# KiCad board main - copyOK.kicad_pcb (continued)
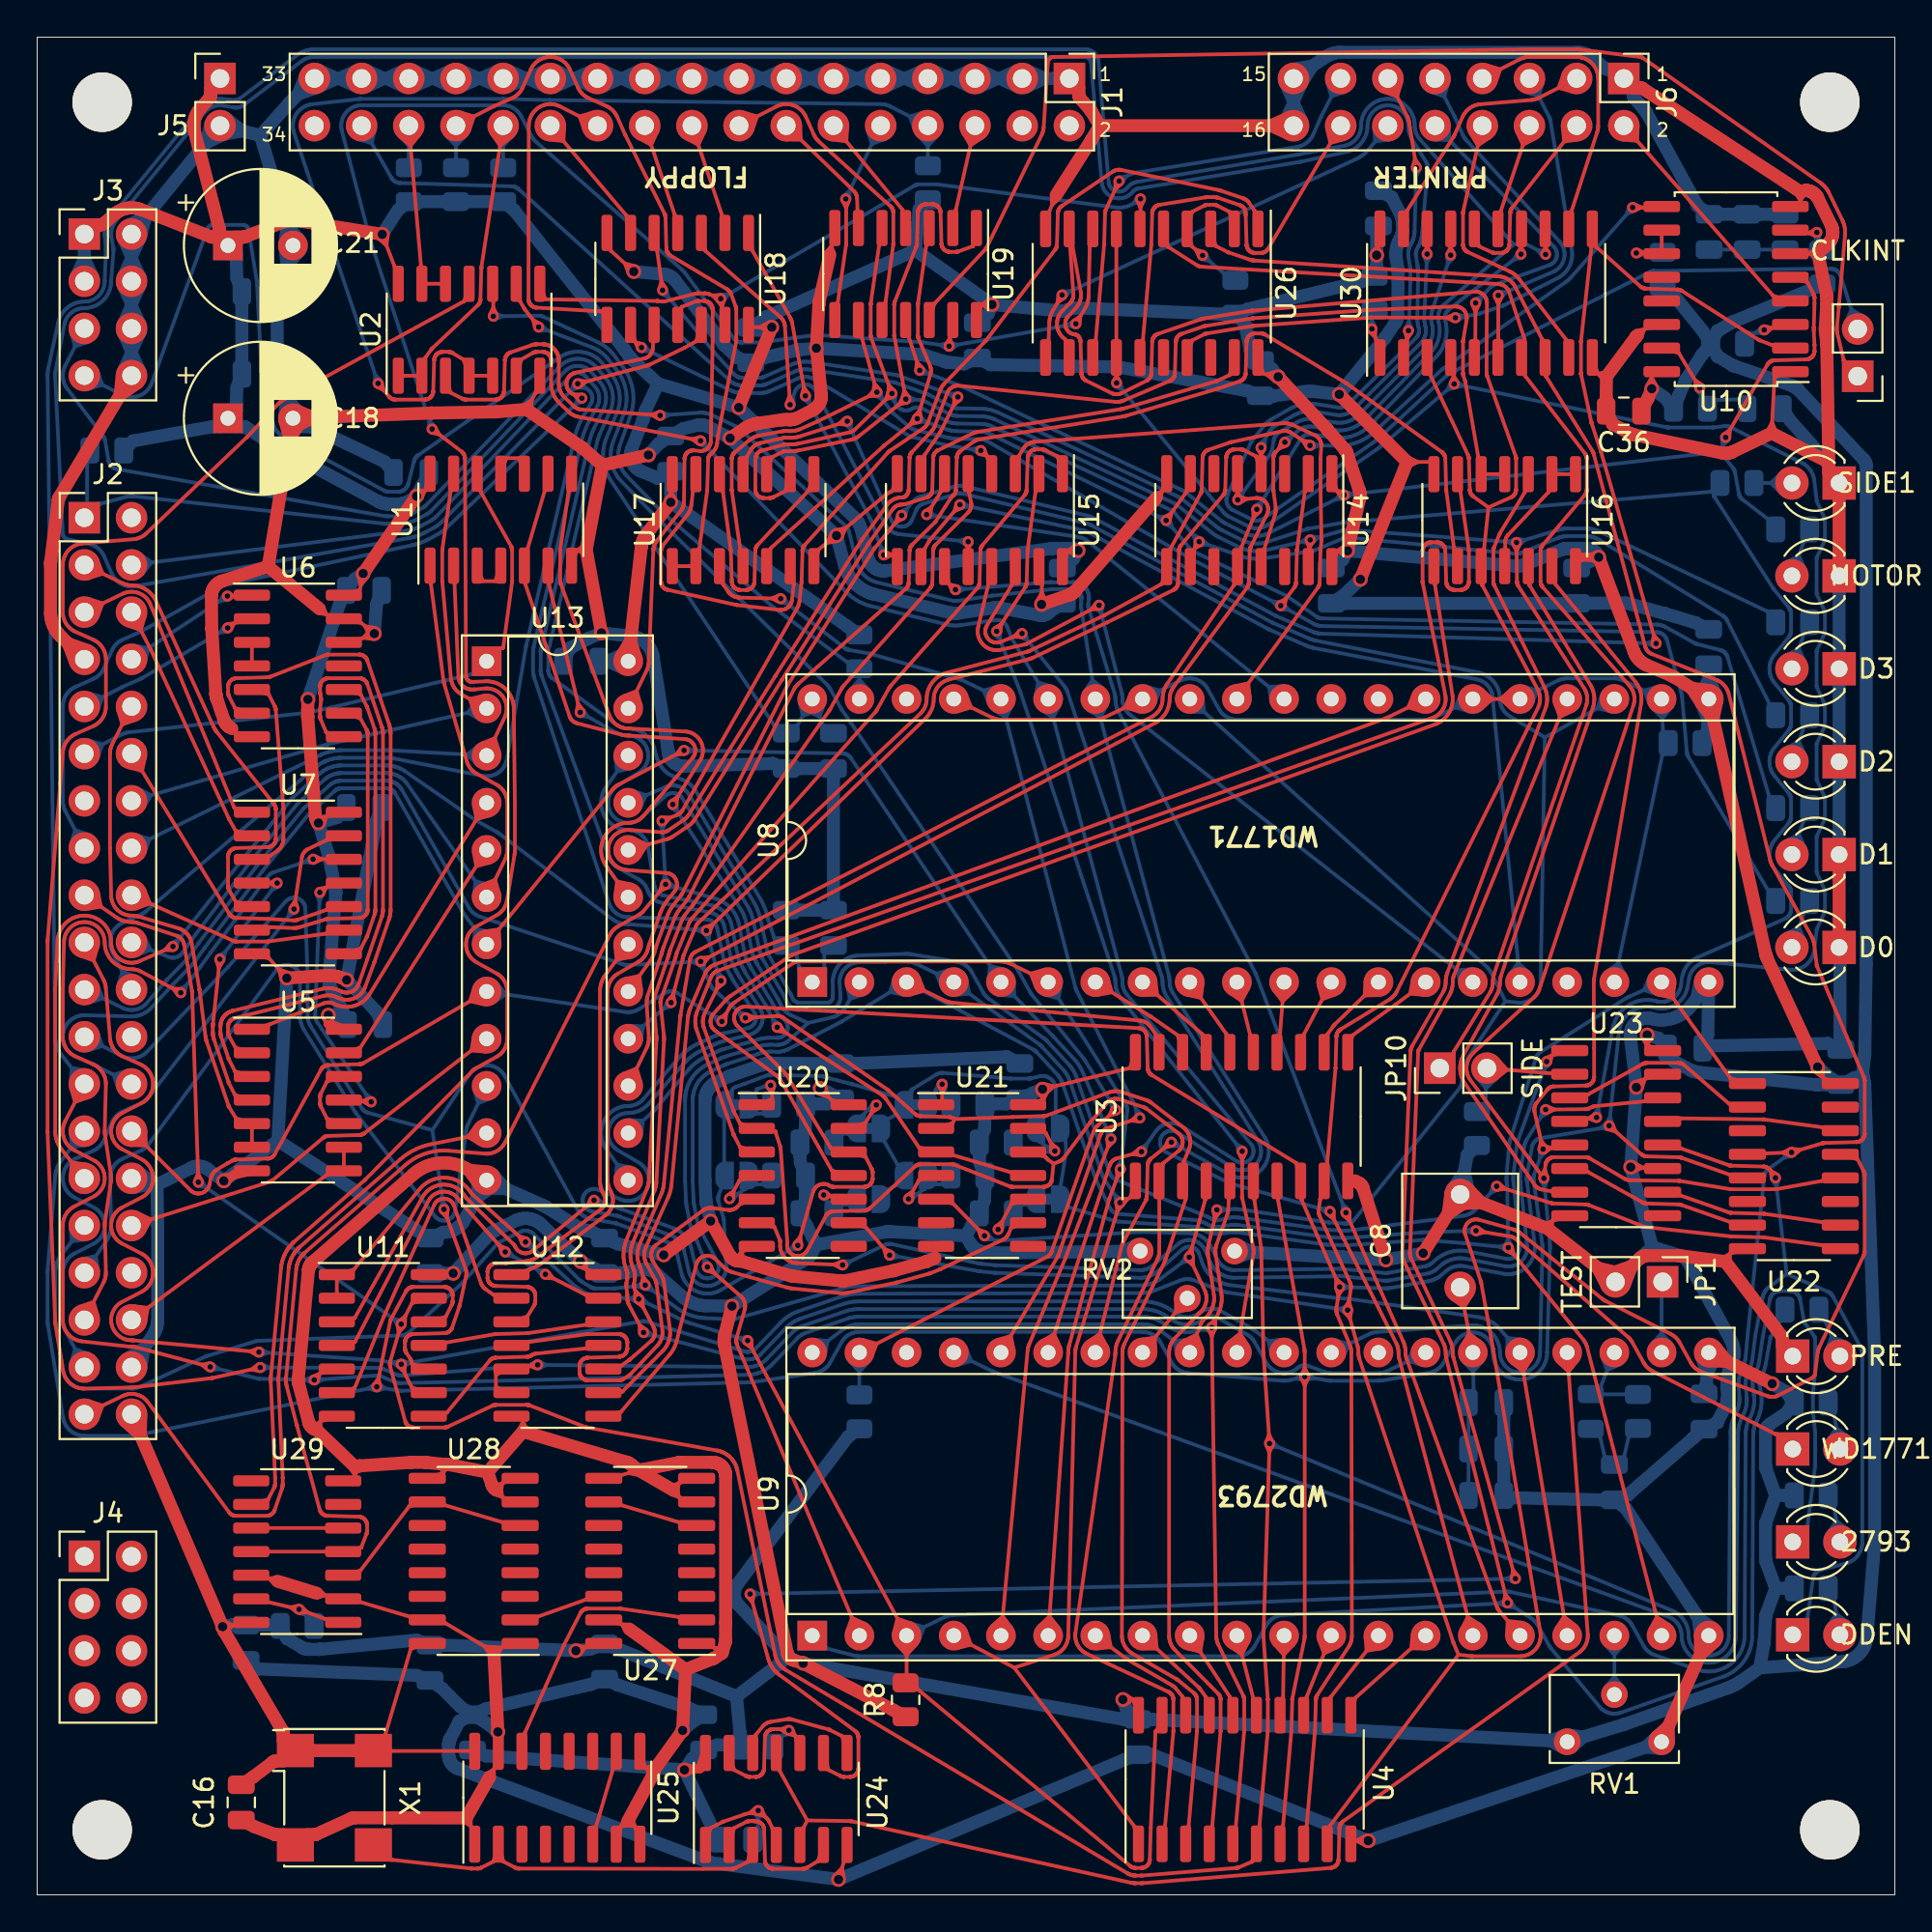
[diagram p0: board, top side]
## Routing (per net, layer and track width the routed paths; a pad name or vN(x,y) marks a point on that pad's centre or on a via; arc(x,y) is an arc through that point) (continued)
  Bottom w0.2: 81.21,40 80.9,39.69 80.87,40.12 ; v2(81.06,40.14) 80.58,38.76 80.57,38.73 80.56,38.71 80.56,38.68 80.55,38.66 80.55,38.63 80.55,38.61 80.55,38.58 80.55,38.56 80.55,38.53 80.55,38.51 80.55,38.48 80.56,38.41 81.01,35.09 81.02,35.04 81.02,34.99 81.03,34.94 81.03,34.9 81.03,34.85 81.03,34.8 80.9,29.23 80.9,29.19 80.9,29.13 80.89,29.06 80.88,29 80.87,28.93 80.85,28.87 80.83,28.8 80.8,28.74 80.77,28.68 80.74,28.63 80.7,28.57 80.66,28.52 80.62,28.47 80.57,28.42 80.52,28.37 80.47,28.33 80.42,28.29 80.36,28.26 80.3,28.23 80.24,28.2 80.18,28.18 80.12,28.16 80.05,28.14 79.99,28.13 79.92,28.12 79.86,28.12 79.79,28.12 79.72,28.12 79.66,28.13 79.59,28.14 79.53,28.16 79.46,28.18 79.4,28.2 79.34,28.23 79.28,28.26 79.23,28.29 79.17,28.33 79.12,28.37 79.07,28.42 79.02,28.47 78.98,28.52 78.94,28.57 78.9,28.63 78.87,28.68 78.84,28.74 78.81,28.8 78.79,28.87 78.77,28.93 78.76,29 78.75,29.06 78.74,29.13 78.74,29.28 78.73,29.37 78.72,29.45 78.7,29.53 78.68,29.62 78.65,29.7 78.62,29.78 78.58,29.85 78.54,29.93 78.5,30 78.45,30.07 78.4,30.14 78.34,30.2 78.28,30.26 78.21,30.32 78.15,30.37 78.08,30.42 78,30.46 77.93,30.5 77.85,30.54 77.77,30.57 77.69,30.6 77.61,30.62 77.52,30.64 77.44,30.65 77.35,30.65 77.27,30.65 77.18,30.65 72.13,30.3 72.08,30.3 72.03,30.29 71.98,30.28 71.94,30.27 71.89,30.26 71.85,30.25 71.8,30.23 71.76,30.21 71.72,30.19 U9.29 ; 70.31,28.94 70.6,29.65 69.86,29.87
M1SIDE: length 10.2
  Top w0.2: U23.2 81.6,44.22 81.5,44.22 81.49,44.23 81.21,44.25 JP10.2 ; 78.51,43.92 79.13,44.41 78.6,45
  Bottom w0.2: 77.48,44 78,43.41 78.56,43.96 ; JP10.2 77.97,42.67 R21.1
MOTOR: length 74.5
  Top w0.2: v2(90.89,78.45) 93.14,82.37 93.15,82.4 93.18,82.43 93.19,82.45 93.21,82.47 93.24,82.49 93.26,82.51 93.29,82.53 93.32,82.55 93.36,82.57 93.38,82.58 93.41,82.58 93.44,82.59 93.47,82.6 93.52,82.6 93.53,82.6 95.22,82.65 95.24,82.65 95.28,82.66 95.3,82.66 95.32,82.67 95.35,82.67 95.38,82.68 95.4,82.69 95.43,82.71 95.45,82.72 95.47,82.73 95.5,82.75 95.52,82.77 95.53,82.78 95.55,82.8 95.57,82.82 95.58,82.84 95.6,82.87 95.62,82.89 95.63,82.91 95.64,82.94 95.65,82.96 95.66,82.98 95.66,83.02 95.67,83.04 95.67,83.06 95.67,83.1 95.67,83.11 95.67,83.42 95.67,83.43 95.64,84.17 95.64,84.21 95.63,84.25 95.63,84.29 95.64,84.33 95.64,84.37 95.67,85.64 95.67,85.65 95.67,85.95 95.67,85.98 95.67,86.02 95.67,86.04 95.66,86.06 95.65,86.09 95.64,86.12 95.64,86.14 95.62,86.17 95.3,86.8 95.3,86.8 U10.5 ; 91.09,78.44 91.13,78.87 90.78,78.62 ; v2(47.51,82.06) 46.94,83.81 U19.11 ; 69.97,75.56 v2(70.35,75.35) ; 69.97,75.56 U14.1 ; 69.97,75.56 70.19,75.24 ; 69.97,75.56 70.36,75.55 ; 47.65,82.2 47.36,82.52 47.31,82.08
  Bottom w0.2: 70.2,75.47 69.92,75.13 70.36,75.15 ; 47.52,81.86 47.96,81.89 47.65,82.2 ; 91.03,78.31 90.72,78 90.69,78.44 ; 90.61,77.69 v2(90.89,78.45) ; 90.61,77.69 91.29,76.8 91.3,76.79 91.33,76.75 91.34,76.72 91.35,76.71 91.37,76.66 91.38,76.63 91.39,76.62 91.4,76.56 91.4,76.55 91.6,75.45 91.6,75.43 91.62,75.37 91.63,75.35 91.64,75.31 91.66,75.29 91.67,75.26 91.68,75.25 ; 90.61,77.69 v2(70.35,75.35) 66.3,73.31 66.23,73.27 66.16,73.24 66.08,73.22 66.01,73.2 65.93,73.18 65.86,73.17 65.78,73.16 65.7,73.15 65.62,73.15 65.54,73.16 65.47,73.16 65.39,73.18 65.31,73.19 65.24,73.21 65.16,73.24 65.09,73.27 65.02,73.3 63.99,73.81 63.95,73.83 63.92,73.85 63.88,73.87 63.84,73.9 63.8,73.92 63.77,73.95 63.73,73.97 61.92,75.42 61.87,75.46 61.82,75.5 61.77,75.53 61.72,75.56 61.67,75.59 61.61,75.62 61.56,75.65 49.82,81.18 49.79,81.2 49.78,81.2 v2(47.51,82.06) ; 70.42,75.54 70.83,75.4 70.46,75.18 ; 91.68,75.25 91.71,75.2 91.73,75.18 91.74,75.17 91.78,75.13 91.8,75.11 93.12,74.09 R31.1
OPT: length 39.5
  Top w0.2: U21.11 52.37,38.91 49.36,39.8 U21.3 47.46,40.25 47.46,40.25 45.68,42.86 45.66,42.89 45.65,42.91 45.63,42.93 45.61,42.95 45.59,42.97 45.57,42.98 45.55,43 45.53,43.02 45.51,43.03 v2(39.83,46.7) ; 40,46.81 40.24,46.44 39.81,46.5
  Bottom w0.2: U13.22 30.62,59.63 30.57,59.55 30.53,59.47 30.49,59.4 30.45,59.31 30.43,59.23 30.4,59.15 30.38,59.06 30.37,58.97 30.36,58.88 30.36,58.79 30.36,58.71 30.37,58.62 30.38,58.53 30.4,58.44 30.42,58.36 30.45,58.27 30.48,58.19 30.52,58.11 30.56,58.04 30.61,57.96 30.66,57.89 30.72,57.82 30.78,57.76 30.84,57.7 30.91,57.64 30.98,57.59 31.06,57.54 31.14,57.49 31.21,57.46 31.3,57.42 31.38,57.39 31.47,57.37 31.55,57.35 31.64,57.34 31.73,57.33 31.82,57.33 31.88,57.32 31.94,57.32 32,57.31 32.06,57.3 32.12,57.28 32.17,57.26 32.23,57.24 32.29,57.22 32.34,57.19 32.39,57.16 32.44,57.13 32.49,57.09 32.54,57.05 32.58,57.01 32.62,56.96 32.66,56.92 32.7,56.87 32.73,56.82 32.76,56.76 32.79,56.71 32.82,56.65 32.84,56.6 32.86,56.54 32.87,56.48 32.88,56.42 33.23,54.3 33.24,54.27 33.24,54.23 33.25,54.2 33.27,54.17 33.28,54.14 33.29,54.11 33.31,54.08 33.33,54.05 33.35,54.02 33.37,54 33.39,53.97 33.42,53.95 33.44,53.93 33.47,53.91 33.49,53.89 33.52,53.87 33.55,53.85 33.58,53.84 33.61,53.83 33.64,53.82 33.68,53.81 33.71,53.8 36.31,53.27 36.38,53.25 36.45,53.23 36.53,53.2 36.6,53.17 36.67,53.14 36.74,53.1 36.8,53.06 36.86,53.01 36.92,52.96 36.98,52.91 37.04,52.86 37.09,52.8 37.14,52.74 37.18,52.68 37.22,52.61 37.26,52.54 37.29,52.47 37.32,52.4 37.35,52.33 37.37,52.25 37.39,52.18 37.71,50.57 37.73,50.5 37.75,50.43 37.77,50.35 37.79,50.28 37.82,50.21 37.85,50.14 37.89,50.07 37.92,50.01 37.96,49.94 37.99,49.9 38,49.87 38.01,49.85 38.03,49.83 38.05,49.78 38.07,49.74 38.09,49.71 38.11,49.67 38.13,49.64 38.15,49.6 39.22,47.89 39.24,47.86 39.26,47.83 39.28,47.8 39.29,47.76 39.31,47.73 39.34,47.65 39.35,47.62 39.37,47.59 39.38,47.56 39.4,47.53 v2(39.83,46.7) ; 31.97,60.64 31.22,60.48 31.12,61.24 ; 39.96,46.86 39.61,47.13 39.63,46.69
~{37E0}: length 138.3
  Top w0.2: 15.38,20.5 15.4,20.48 15.43,20.46 15.44,20.45 15.48,20.44 15.5,20.43 15.52,20.42 15.55,20.42 15.58,20.41 15.6,20.41 15.64,20.41 17.31,20.36 17.35,20.35 17.38,20.35 17.41,20.34 17.44,20.33 17.47,20.33 17.51,20.31 ; v2(33.83,54.4) 32.67,53 32.64,52.96 32.61,52.93 32.58,52.9 32.54,52.87 32.51,52.84 32.47,52.81 32.43,52.78 32.39,52.76 32.36,52.74 31.28,52.14 31.23,52.11 31.18,52.08 31.14,52.05 31.1,52.01 31.05,51.97 31.02,51.94 30.98,51.89 30.94,51.85 30.91,51.81 30.88,51.76 30.85,51.72 30.83,51.67 25.19,40.51 25.16,40.45 25.12,40.4 25.09,40.35 25.05,40.3 25.01,40.25 24.97,40.21 24.92,40.16 24.87,40.12 24.82,40.09 24.77,40.05 24.71,40.02 24.66,40 24.6,39.97 24.54,39.95 24.48,39.93 24.42,39.92 24.36,39.91 24.3,39.9 24.23,39.9 24.17,39.9 24.11,39.9 22.15,40.05 21.98,40.06 21.81,40.06 21.65,40.05 21.48,40.04 21.31,40.01 21.15,39.97 20.99,39.93 20.83,39.88 20.67,39.82 20.52,39.75 20.37,39.67 20.23,39.59 20.09,39.49 19.95,39.39 19.82,39.29 14.41,34.57 14.38,34.55 14.33,34.5 14.3,34.47 14.28,34.44 14.26,34.42 14.24,34.39 14.22,34.37 14.18,34.32 14.16,34.28 14.14,34.25 14.12,34.22 14.1,34.19 14.09,34.16 14.06,34.11 14.04,34.07 14.03,34.04 14.02,34 14.01,33.97 14,33.94 13.99,33.9 13.98,33.88 13.97,33.84 13.97,33.81 13.96,33.78 13.95,33.74 13.95,33.71 13.94,33.68 13.4,27.86 13.4,27.8 13.39,27.74 13.39,27.68 13.4,27.62 13.4,27.56 13.41,27.5 13.42,27.45 13.43,27.39 13.44,27.33 13.98,25.28 13.98,25.27 15.21,20.73 15.22,20.71 15.23,20.68 15.24,20.65 15.26,20.63 15.28,20.59 15.3,20.57 15.32,20.55 15.34,20.53 15.36,20.51 15.37,20.5 ; 33.78,57.67 34.08,57.99 33.65,58.01 ; 17.51,20.31 17.53,20.29 17.55,20.28 17.58,20.26 17.6,20.24 17.62,20.23 17.64,20.21 17.66,20.19 17.67,20.17 17.69,20.14 17.7,20.12 17.71,20.1 17.73,20.07 17.74,20.05 17.74,20.03 17.75,19.99 17.76,19.97 17.76,19.95 17.76,19.91 17.76,19.9 17.76,19.6 17.76,19.57 17.76,19.53 17.75,19.51 17.75,19.49 17.74,19.45 17.73,19.43 17.45,18.7 17.44,18.69 17.44,18.69 U29.4 U29.11 ; 33.64,54.45 33.52,54.03 33.92,54.22 ; v2(33.64,57.81) 34.44,58.13 34.47,58.14 34.5,58.15 34.52,58.17 34.55,58.18 34.57,58.2 34.59,58.22 34.62,58.24 34.64,58.26 34.66,58.28 34.68,58.3 34.7,58.32 34.72,58.35 34.73,58.37 34.75,58.4 40.91,69.27 40.93,69.31 40.95,69.35 40.97,69.38 40.98,69.42 41,69.46 41.01,69.5 41.02,69.54 41.03,69.58 41.03,69.62 41.04,69.66 41.15,70.64 41.15,70.69 41.2,72.36 41.2,72.4 41.21,72.43 41.21,72.46 41.22,72.49 41.23,72.52 41.25,72.56 41.26,72.58 41.27,72.6 41.3,72.64 41.31,72.65 45.81,77.65 45.84,77.69 45.86,77.7 45.88,77.72 45.91,77.74 47.72,78.95 47.74,78.97 47.76,78.99 47.79,79.01 47.81,79.03 47.83,79.05 47.85,79.07 47.86,79.09 47.88,79.12 47.9,79.14 47.91,79.17 47.92,79.19 47.94,79.22 47.95,79.25 48.61,80.99 48.62,81.03 48.64,81.07 48.66,81.1 48.68,81.14 48.7,81.18 48.72,81.21 48.75,81.24 48.77,81.28 48.8,81.31 48.83,81.34 51.05,83.64 51.07,83.66 51.07,83.67 54.8,88.56 54.82,88.6 54.84,88.62 54.85,88.64 54.86,88.67 54.87,88.69 54.88,88.71 54.89,88.75 54.89,88.77 54.89,88.79 54.9,88.83 54.94,90.53 54.95,90.57 54.95,90.6 54.96,90.62 54.97,90.66 54.98,90.68 54.99,90.73 55.01,90.75 55.02,90.77 55.04,90.8 55.06,90.82 55.08,90.84 55.1,90.87 55.12,90.88 55.16,90.91 57.9,92.76 57.92,92.78 57.95,92.79 57.98,92.81 58.01,92.82 58.04,92.83 58.07,92.84 58.1,92.85 58.14,92.86 58.17,92.86 58.2,92.86 58.23,92.86 58.27,92.86 58.3,92.86 58.33,92.86 58.36,92.85 63.58,91.77 63.61,91.77 63.66,91.75 63.69,91.74 63.73,91.73 64.88,91.34 64.91,91.33 64.93,91.32 64.96,91.31 64.99,91.29 65.02,91.28 65.04,91.26 65.07,91.24 65.1,91.22 65.12,91.2 65.15,91.18 65.17,91.16 65.19,91.14 65.21,91.11 65.23,91.09 65.25,91.06 65.52,90.67 65.53,90.66 U26.1
  Bottom w0.2: 31.84,41.71 32.61,41.68 32.51,40.92 ; 33.65,54.47 33.8,54.88 34.01,54.49 ; 33.86,54.2 34.29,54.26 33.96,54.55 ; 33.46,57.72 33.66,57.33 33.82,57.74 ; v2(33.64,57.81) v2(33.83,54.4) 36.52,53.62 36.61,53.59 36.71,53.56 36.79,53.52 36.88,53.47 36.97,53.42 37.05,53.37 37.13,53.31 37.2,53.25 37.27,53.18 37.34,53.11 37.41,53.04 37.47,52.96 37.52,52.88 37.57,52.8 37.62,52.71 37.66,52.62 37.7,52.53 37.73,52.44 37.76,52.34 37.78,52.25 38.09,50.66 38.1,50.6 38.12,50.54 38.14,50.48 38.16,50.42 38.18,50.36 38.2,50.31 38.23,50.25 38.26,50.2 38.29,50.15 38.32,50.1 38.34,50.07 38.36,50.04 38.37,50 38.41,49.93 38.42,49.9 38.44,49.88 38.45,49.85 38.47,49.83 39.54,48.07 39.56,48.03 39.59,47.99 39.61,47.95 39.63,47.91 39.64,47.87 39.67,47.8 39.69,47.76 39.71,47.72 39.73,47.68 39.76,47.63 39.79,47.58 39.82,47.52 39.86,47.47 39.9,47.42 39.94,47.38 39.98,47.33 40.02,47.29 40.07,47.25 40.12,47.21 40.16,47.17 40.17,47.16 40.2,47.14 40.23,47.12 40.25,47.09 40.28,47.07 40.3,47.04 40.32,47.01 40.34,46.98 40.35,46.95 40.37,46.91 40.38,46.88 40.39,46.85 40.4,46.81 40.4,46.78 40.41,46.74 40.41,46.71 40.41,46.67 40.4,46.64 40.4,46.6 40.39,46.57 40.38,46.53 40.37,46.5 40.36,46.47 40.34,46.44 40.32,46.41 40.3,46.38 40.28,46.35 40.26,46.32 40.24,46.29 40.21,46.27 40.18,46.25 40.15,46.23 40.12,46.21 40.09,46.19 40.06,46.18 40.03,46.16 40,46.15 39.96,46.14 39.93,46.14 39.89,46.13 39.86,46.13 39.82,46.13 39.54,46.14 39.44,46.14 39.33,46.13 39.22,46.12 39.12,46.11 39.01,46.09 38.9,46.07 38.8,46.04 38.7,46.01 38.6,45.98 38.56,45.96 38.54,45.96 38.51,45.95 38.49,45.94 38.47,45.94 37.03,45.55 36.98,45.54 36.93,45.52 36.88,45.5 36.82,45.49 36.77,45.47 36.72,45.44 36.62,45.4 36.6,45.39 35.91,45.07 35.87,45.05 35.82,45.03 35.77,45 35.73,44.97 35.68,44.95 35.64,44.92 35.55,44.86 35.5,44.82 35.45,44.78 35.4,44.74 35.35,44.7 35.3,44.66 35.25,44.61 35.18,44.54 35.15,44.51 35.13,44.49 35.1,44.46 35.08,44.43 35.06,44.41 33.3,42.31 33.26,42.27 33.22,42.23 33.19,42.19 33.15,42.15 33.11,42.11 33.07,42.08 U13.14
~{1771}: length 134
  Top w0.2: v2(29.98,37.39) 26.68,34.67 26.65,34.65 26.62,34.63 26.59,34.61 26.56,34.59 26.52,34.58 26.49,34.57 26.45,34.56 26.42,34.55 26.38,34.54 26.34,34.54 26.31,34.53 26.27,34.53 26.24,34.54 26.2,34.54 26.16,34.55 26.13,34.56 26.09,34.57 26.06,34.58 26.02,34.59 25.99,34.61 25.96,34.63 25.93,34.65 25.9,34.67 25.87,34.7 25.85,34.72 25.82,34.75 25.8,34.78 25.78,34.81 25.76,34.84 25.73,34.9 25.72,34.92 25.71,34.94 25.69,34.96 25.68,34.97 25.67,34.99 25.65,35.01 25.64,35.03 25.62,35.04 23.18,37.43 23.15,37.46 23.12,37.5 23.09,37.53 23.06,37.57 23.03,37.6 23,37.64 22.99,37.66 22.94,37.72 22.89,37.78 22.84,37.84 22.78,37.89 22.72,37.95 22.66,37.99 22.59,38.04 22.52,38.07 22.45,38.11 22.38,38.14 22.3,38.17 22.23,38.19 22.15,38.21 22.07,38.22 21.99,38.23 21.92,38.23 21.84,38.23 21.76,38.22 21.68,38.21 21.6,38.2 21.53,38.18 21.45,38.15 21.38,38.12 21.3,38.09 21.24,38.05 21.17,38.01 21.1,37.97 21.04,37.92 20.98,37.86 20.93,37.81 20.87,37.75 20.83,37.69 20.78,37.62 20.74,37.55 17.1,31.07 17.09,31.06 U11.3 ; U8.3 48.86,48.14 48.9,48.12 48.94,48.1 48.98,48.08 49.02,48.07 49.06,48.06 49.11,48.05 49.15,48.04 49.19,48.03 49.24,48.03 59.37,47.06 59.39,47.06 59.41,47.06 59.42,47.05 59.44,47.05 59.46,47.04 59.51,47.03 59.54,47.02 59.58,47.01 59.61,47 59.64,46.98 59.67,46.97 59.7,46.95 59.73,46.93 59.76,46.91 59.79,46.88 59.82,46.86 59.84,46.84 59.87,46.81 59.89,46.78 59.91,46.75 60.2,46.34 60.2,46.34 60.39,45.36 ; v2(77.45,35.75) 79.29,35.44 79.32,35.44 79.34,35.43 79.37,35.42 79.4,35.42 79.42,35.4 79.45,35.39 79.47,35.38 79.5,35.37 79.52,35.35 79.55,35.34 79.57,35.32 79.59,35.3 85.63,30.03 85.66,30 85.69,29.97 85.72,29.94 85.75,29.91 85.78,29.88 85.8,29.84 85.83,29.81 85.85,29.77 85.87,29.73 86.47,28.66 86.5,28.61 86.53,28.56 86.56,28.52 86.6,28.48 86.63,28.44 86.67,28.4 86.71,28.36 86.75,28.33 86.8,28.29 86.84,28.26 86.89,28.23 86.94,28.21 93.55,24.81 93.57,24.8 93.6,24.8 93.7,24.8 D3.1 ; 29.8,37.48 29.61,37.09 30.03,37.2 ; 77.56,35.92 77.93,35.67 77.5,35.56 ; 47.45,49.39 47.74,48.68 47,48.46
  Bottom w0.2: v2(77.45,35.75) 74.57,35.66 74.53,35.66 70.55,35.36 70.52,35.36 70.48,35.36 70.45,35.36 70.41,35.36 70.38,35.36 70.3,35.37 70.27,35.37 70.24,35.37 70.2,35.37 69.55,35.39 69.52,35.39 69.49,35.4 69.46,35.4 69.43,35.4 69.4,35.4 64.65,36.06 64.59,36.07 64.54,36.07 64.49,36.07 64.43,36.07 64.38,36.07 64.33,36.07 64.27,36.06 64.22,36.05 63.66,35.96 63.61,35.95 63.57,35.95 63.52,35.95 63.48,35.95 63.43,35.95 63.39,35.95 63.34,35.96 63.3,35.97 63.25,35.98 63.21,35.99 63.17,36.01 63.12,36.03 63.08,36.05 63.04,36.07 63.02,36.08 62.94,36.12 62.86,36.16 62.78,36.2 62.7,36.23 62.61,36.26 62.53,36.28 62.44,36.3 62.35,36.32 62.27,36.33 62.18,36.34 58.24,36.65 58.21,36.65 58.17,36.66 58.14,36.67 58.11,36.68 58.08,36.69 58.05,36.7 58.02,36.71 57.99,36.73 57.96,36.75 57.93,36.76 57.9,36.78 57.88,36.81 57.85,36.83 57.83,36.85 57.81,36.88 57.79,36.9 57.77,36.93 57.75,36.96 57.74,36.99 57.03,38.43 57.01,38.47 57,38.5 56.98,38.53 56.97,38.56 56.96,38.6 55.18,43.74 55.16,43.78 55.14,43.82 55.12,43.86 55.1,43.9 55.08,43.94 55.05,43.98 55.03,44.02 55,44.06 54.97,44.09 54.94,44.13 53.79,45.37 53.78,45.38 53.75,45.42 53.73,45.44 53.71,45.45 53.67,45.48 53.64,45.49 ; 30,37.19 30.43,37.24 30.11,37.54 ; 53.64,45.49 U8.3 43.32,47.02 43.29,47 43.25,46.97 43.23,46.96 40.44,45.53 40.38,45.5 40.33,45.48 40.27,45.45 40.21,45.43 40.15,45.42 40.08,45.4 40.02,45.39 39.96,45.39 39.9,45.38 39.83,45.38 39.77,45.38 39.57,45.39 39.5,45.39 39.43,45.39 39.35,45.39 39.28,45.38 39.21,45.37 39.14,45.36 39.06,45.34 38.99,45.33 38.92,45.3 38.85,45.28 38.82,45.27 38.78,45.25 38.75,45.25 37.18,44.74 37.16,44.73 37.13,44.72 37.1,44.71 37.08,44.7 37.05,44.69 36.95,44.65 36.26,44.33 36.23,44.31 36.2,44.3 36.18,44.29 36.15,44.27 36.12,44.25 36.1,44.24 36.01,44.18 35.98,44.16 35.95,44.13 35.92,44.11 35.89,44.08 35.86,44.06 35.83,44.03 35.79,43.99 35.76,43.96 35.73,43.93 35.7,43.9 35.68,43.87 35.65,43.84 35.63,43.81 35.61,43.78 35.55,43.69 35.53,43.66 35.51,43.63 35.49,43.59 35.47,43.56 35.46,43.52 35.44,43.48 35.4,43.39 35.39,43.35 35.37,43.32 35.36,43.28 35.35,43.24 35.34,43.2 35.33,43.16 35.31,43.07 35.31,43.04 35.3,43.01 35.3,42.98 35.3,42.95 35.29,42.92 35.29,42.89 35.29,42.82 35.29,42.78 35.29,38.47 35.29,38.43 35.29,38.41 35.34,37.38 35.34,37.34 35.34,37.29 35.35,37.24 35.36,37.2 35.36,37.15 35.37,37.1 35.56,36.13 35.57,36.11 35.57,36.08 35.58,36.06 35.59,36.03 35.6,36.01 35.61,35.98 35.62,35.96 35.63,35.93 36.62,34.08 36.63,34.05 36.65,34.01 36.66,33.98 36.67,33.94 36.68,33.91 36.68,33.87 36.69,33.83 36.69,33.79 36.69,33.75 36.68,33.72 36.68,33.68 36.67,33.64 36.66,33.61 36.64,33.57 36.63,33.54 36.61,33.5 36.59,33.47 36.57,33.44 36.55,33.41 36.52,33.38 36.5,33.35 36.47,33.33 36.44,33.31 36.41,33.28 36.38,33.26 36.34,33.25 36.31,33.23 36.27,33.22 36.24,33.21 36.2,33.2 36.16,33.19 36.13,33.19 36.09,33.19 36.05,33.19 36.01,33.19 35.98,33.19 35.94,33.2 35.9,33.21 35.87,33.22 35.83,33.24 35.8,33.25 35.77,33.27 35.73,33.29 35.7,33.31 35.67,33.34 35.65,33.36 35.62,33.39 35.6,33.42 35.57,33.45 35.55,33.48 35.54,33.52 35.52,33.55 35.5,33.58 35.49,33.62 35.48,33.66 35.22,34.79 35.2,34.88 35.17,34.96 35.14,35.03 35.11,35.11 35.07,35.18 35.02,35.26 34.98,35.33 34.93,35.39 34.87,35.46 34.82,35.52 34.76,35.58 34.69,35.63 34.63,35.68 34.56,35.73 34.48,35.77 34.41,35.81 34.33,35.85 34.26,35.88 31.5,36.9 31.45,36.91 v2(29.98,37.39) ; 46.13,49.33 45.91,48.59 46.67,48.45 ; 77.37,35.57 76.97,35.74 77.36,35.93 ; 46.97,48.46 47.72,48.65 47.46,49.37
~{2793}: length 228.4
  Top w0.2: 32.58,32.08 32.61,31.65 32.26,31.91 ; 46.28,13.48 46.8,12.92 47.32,13.48 ; 53.59,77.77 53.62,77.78 53.64,77.79 53.68,77.8 53.7,77.81 53.75,77.81 53.78,77.81 54.08,77.81 54.1,77.81 54.14,77.81 54.16,77.8 54.18,77.8 54.22,77.79 54.24,77.78 54.28,77.76 54.29,77.76 54.92,77.44 U15.1 ; 26.11,35.06 25.93,35.46 26.35,35.33 ; 32.18,32.08 32.2,32.52 32.52,32.22 ; 47.03,14.62 46.31,14.87 46.12,14.12 ; 50.63,70.37 50.62,70.35 50.61,70.35 45.97,65.11 45.95,65.08 45.93,65.06 45.91,65.03 45.89,65 45.87,64.97 45.85,64.94 45.83,64.91 45.23,63.83 45.21,63.8 45.2,63.78 45.18,63.75 45.16,63.72 45.14,63.69 45.11,63.66 45.09,63.64 35.26,52.58 35.24,52.55 35.21,52.52 35.19,52.49 35.17,52.46 35.15,52.43 35.13,52.4 35.11,52.36 35.1,52.33 35.08,52.29 34.45,50.76 34.44,50.73 34.43,50.7 34.42,50.66 34.41,50.63 34.4,50.6 34.39,50.56 34.39,50.54 34.37,50.49 34.36,50.44 34.34,50.39 34.33,50.34 34.31,50.29 33.58,48.22 33.58,48.2 33.57,48.17 33.56,48.15 33.56,48.12 33.56,48.1 33.55,48.07 33.55,48.05 33.55,48.02 33.55,48 33.55,47.97 33.74,46.29 33.74,46.24 33.74,46.19 33.75,46.14 33.75,46.09 33.75,46.03 33.74,45.98 33.33,38.38 33.33,38.33 33.32,38.27 33.31,38.21 33.3,38.16 33.29,38.1 33.28,38.04 33.26,37.99 33.24,37.93 33.22,37.88 32.07,35.13 32.04,35.05 32.01,34.96 31.99,34.88 31.97,34.79 31.95,34.7 31.94,34.61 31.94,34.52 31.94,34.43 31.94,34.34 31.95,34.25 31.96,34.16 31.98,34.07 32,33.98 32.02,33.9 32.05,33.81 32.09,33.73 32.1,33.7 32.11,33.67 32.12,33.63 32.13,33.62 32.15,33.52 32.16,33.5 32.16,33.47 32.17,33.44 32.17,33.42 32.17,33.39 32.18,33.36 32.18,33.34 32.18,33.24 32.18,33.2 32.17,33.17 32.17,33.13 32.17,33.11 32.16,33.08 32.13,32.93 32.13,32.9 32.13,32.87 32.13,32.84 32.12,32.81 32.13,32.78 32.13,32.75 32.13,32.72 32.14,32.7 32.14,32.67 32.15,32.64 32.16,32.61 32.17,32.58 v2(32.38,32.07) 33.18,30.56 33.2,30.53 33.21,30.49 33.22,30.46 33.23,30.43 33.24,30.4 33.25,30.36 33.25,30.33 33.25,30.3 33.25,30.26 33.25,30.23 33.25,30.19 33.24,30.16 33.24,30.13 33.23,30.09 33.22,30.06 33.2,30.03 33.19,30 33.17,29.97 33.16,29.94 33.14,29.91 33.12,29.89 33.09,29.86 33.07,29.84 33.04,29.81 31.92,28.83 31.9,28.81 31.88,28.8 31.86,28.79 31.46,28.5 31.45,28.49 U12.10 ; 53.59,77.77 53.56,77.76 53.54,77.74 53.51,77.73 53.49,77.71 53.47,77.69 53.45,77.67 53.43,77.65 53.41,77.63 53.39,77.59 53.38,77.56 53.36,77.51 53.35,77.47 53.34,77.42 53.34,77.38 53.32,77.28 53.32,77.26 53.27,75.64 53.26,75.62 53.26,75.59 53.26,75.56 53.25,75.54 53.24,75.51 53.23,75.48 53.23,75.47 53.21,75.44 53.2,75.41 53.19,75.4 53.16,75.36 53.16,75.35 50.88,72.65 50.87,72.63 50.85,72.6 50.83,72.57 50.81,72.53 50.8,72.51 50.79,72.48 50.78,72.45 50.78,72.42 50.77,72.37 50.77,72.36 50.73,70.64 50.72,70.62 50.72,70.59 50.72,70.56 50.71,70.54 50.7,70.51 50.69,70.48 50.69,70.47 50.67,70.44 50.66,70.41 50.65,70.4 50.63,70.38 ; v2(26.29,35.14) 23.48,37.67 23.45,37.69 23.43,37.72 23.4,37.74 23.38,37.77 23.35,37.8 23.33,37.83 23.3,37.87 23.24,37.95 23.17,38.03 23.1,38.11 23.03,38.18 22.95,38.24 22.87,38.3 22.79,38.36 22.7,38.41 22.61,38.45 22.51,38.49 22.42,38.53 22.32,38.55 22.22,38.58 22.12,38.59 22.02,38.6 21.92,38.61 21.82,38.6 21.71,38.6 21.61,38.58 21.51,38.56 21.41,38.54 21.32,38.5 21.22,38.47 21.13,38.42 21.04,38.38 20.96,38.32 20.87,38.26 20.79,38.2 20.72,38.13 20.65,38.06 20.58,37.98 17.04,33.66 17.04,33.66 U11.1 U11.2 ; 38.12,29.68 38.47,29.42 38.45,29.85 ; v2(38.25,29.84) U9.3 46.8,11.83 R8.2 47.43,11.04 47.43,11.04 58.84,1.55 58.86,1.54 58.89,1.52 58.91,1.5 58.93,1.5 58.96,1.48 58.99,1.47 59,1.47 59.04,1.46 59.06,1.45 59.08,1.45 59.12,1.45 59.14,1.45 59.44,1.45 59.46,1.45 59.5,1.45 59.52,1.46 59.54,1.46 59.58,1.47 59.6,1.48 59.62,1.49 59.65,1.5 59.67,1.51 59.69,1.52 59.72,1.54 59.74,1.56 59.75,1.57 59.78,1.6 59.79,1.62 59.8,1.63 59.82,1.66 59.84,1.69 59.85,1.7 59.86,1.73 59.87,1.76 59.88,1.78 59.89,1.81 59.89,1.84 59.89,1.85 59.9,1.9 59.94,3.59 59.94,3.6 60.2,8.74 60.2,8.76 60.21,8.78 60.22,8.79 60.24,8.81 60.26,8.82 U4.19
  Bottom w0.2: 47.45,13.7 47.74,14.41 47,14.63 ; 26.47,35.23 26.65,34.83 26.23,34.95 ; D2.1 95.3,19.8 95.3,19.9 95.3,19.91 95.71,23.06 95.71,23.09 95.71,23.1 95.71,24.9 95.71,24.93 95.59,25.97 95.59,26.03 95.59,26.05 95.59,26.95 95.59,26.98 95.59,27.03 95.71,28.07 95.71,28.1 95.71,29.9 95.71,29.91 95.71,29.93 95.71,29.94 95.7,29.96 95.7,29.97 95.7,29.99 95.69,30 95.69,30.02 95.68,30.03 95.68,30.04 95.67,30.05 95.66,30.07 95.65,30.08 95.21,30.71 95.18,30.75 ; 32.31,32.26 31.9,32.11 32.29,31.9 ; 38.22,30.04 37.79,29.98 38.11,29.69 ; 32.54,32.2 32.82,31.86 32.38,31.87 ; 95.18,30.75 95.16,30.77 95.15,30.79 95.13,30.84 95.12,30.87 95.11,30.88 95.1,30.94 95.1,30.95 94.9,32.05 94.9,32.07 94.88,32.12 94.87,32.15 94.87,32.17 94.84,32.21 94.83,32.24 94.82,32.25 94.79,32.3 94.77,32.32 94.76,32.33 94.72,32.37 94.7,32.39 94.69,32.4 94.65,32.43 94.62,32.44 94.61,32.45 94.56,32.47 94.53,32.48 94.52,32.49 94.46,32.5 94.44,32.5 94.42,32.51 94.37,32.51 94.35,32.51 93.83,32.51 93.8,32.51 93.74,32.5 93.72,32.5 93.68,32.49 93.65,32.48 93.63,32.47 93.61,32.47 93.56,32.44 93.54,32.43 93.5,32.41 93.48,32.39 93.46,32.37 93.45,32.36 93.41,32.32 93.39,32.3 93.38,32.29 93.35,32.25 93.33,32.22 93.33,32.21 93.3,32.16 93.29,32.13 93.29,32.12 93.28,32.06 93.27,32.05 92.89,30.03 92.89,30.01 92.7,28.79 92.69,28.68 92.67,28.58 92.64,28.48 92.61,28.38 92.58,28.28 92.54,28.18 92.5,28.09 92.46,27.99 92.45,27.97 92.43,27.93 92.41,27.88 92.39,27.83 92.38,27.78 92.37,27.73 92.36,27.69 92.35,27.64 92.35,27.58 92.34,27.53 92.34,27.48 92.35,27.43 92.35,27.38 92.41,26.91 92.42,26.84 92.43,26.74 92.43,26.65 92.43,26.55 92.43,26.45 92.42,26.36 92.4,26.26 92.38,26.16 92.36,26.07 92.33,25.98 92.29,25.89 92.26,25.8 92.22,25.71 92.18,25.65 92.16,25.6 92.14,25.56 92.12,25.51 92.1,25.46 92.08,25.41 92.07,25.36 92.04,25.27 92.02,25.22 92.01,25.16 92,25.1 91.99,25.04 91.98,24.98 91.97,24.93 91.97,24.87 91.97,24.81 91.91,13.94 91.91,13.83 91.9,13.72 91.88,13.6 91.86,13.49 91.83,13.38 91.79,13.27 91.74,13.17 91.7,13.07 91.64,12.97 91.58,12.87 91.51,12.78 91.44,12.69 91.36,12.6 91.28,12.53 91.19,12.45 91.1,12.38 91.01,12.32 90.91,12.26 90.81,12.21 90.7,12.16 90.59,12.12 90.48,12.09 90.37,12.06 90.26,12.04 90.15,12.03 90.03,12.03 89.92,12.03 89.8,12.03 89.69,12.05 89.58,12.07 89.47,12.09 89.36,12.13 87.08,12.9 87.03,12.92 86.98,12.94 86.93,12.97 86.89,12.99 86.84,13.02 86.79,13.05 86.75,13.09 86.71,13.12 86.67,13.16 86.63,13.2 86.6,13.24 86.56,13.28 86.53,13.32 86.5,13.37 86.47,13.42 85.87,14.49 85.84,14.54 85.81,14.59 85.77,14.64 85.74,14.69 85.7,14.73 85.65,14.77 85.61,14.81 85.56,14.85 85.52,14.88 85.47,14.91 85.41,14.94 85.36,14.97 85.31,14.99 85.25,15.01 85.19,15.03 85.14,15.04 79.28,16.31 79.26,16.32 79.23,16.32 79.21,16.32 79.19,16.32 79.17,16.32 79.14,16.32 79.12,16.32 49.3,15.06 49.25,15.06 49.2,15.06 49.16,15.05 49.11,15.04 49.07,15.03 49.03,15.02 48.98,15.01 48.94,14.99 48.9,14.97 48.86,14.95 U9.3 ; v2(38.25,29.84) 35.16,30.77 35.08,30.8 35,30.82 34.93,30.85 34.85,30.88 34.77,30.92 34.7,30.95 v2(32.38,32.07) 30.02,32.23 29.96,32.24 29.94,32.24 29.92,32.24 29.9,32.25 29.88,32.25 29.86,32.25 29.84,32.26 29.8,32.27 29.78,32.28 29.76,32.28 29.74,32.29 29.72,32.3 29.7,32.3 29.68,32.31 29.63,32.34 29.6,32.35 29.57,32.37 29.13,32.64 29.09,32.67 29.05,32.69 29.02,32.72 28.98,32.75 28.95,32.77 28.91,32.8 27.77,33.85 27.76,33.86 v2(26.29,35.14)
